# Altium PCB relay_matrix.PcbDoc (part 8 of 9) (continued)
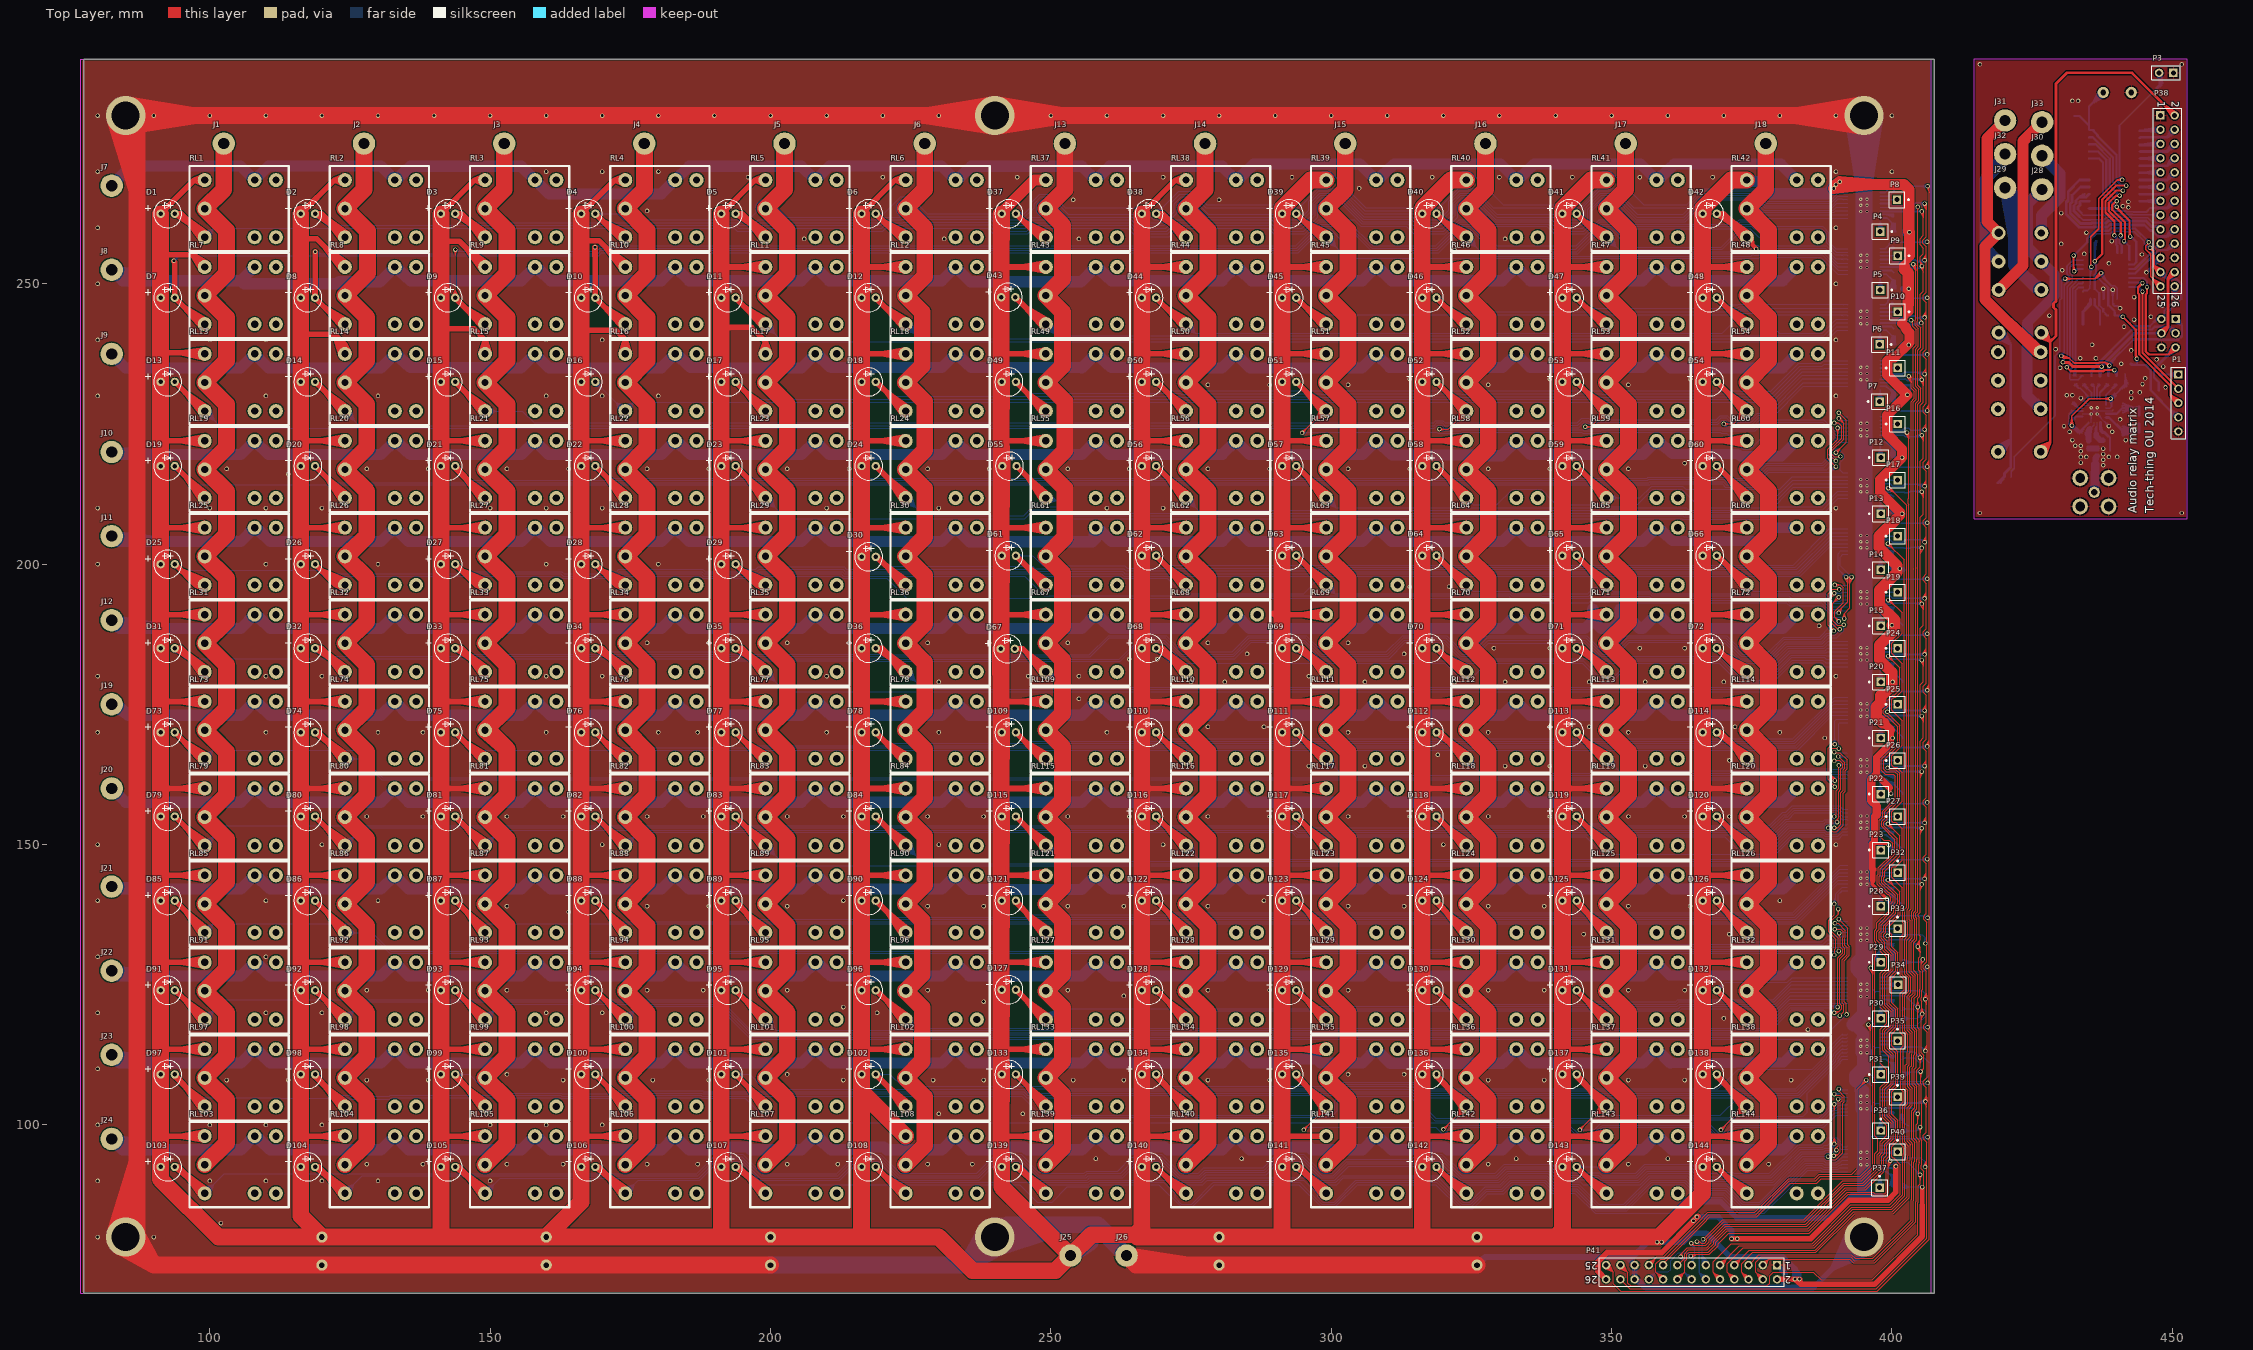
[diagram p0: Top Layer view]
## Nets (pads, with @x,y where several pads share a name; then routed paths per layer and width w, separated by ;. In a path a pad name is that pad's centre, name@x,y a point inside that pad or via, vN(x,y) a via of type N, cw(c..) or ccw(c..) an arc to the next point about the centre after c; other vN are vias at no path point) (continued)
NetC55_2: C55.2 U12.18 | length 9.7
  Bottom Layer w0.3: U12.18@397.9,172.375 399.925,172.375 C55.2@400.3,172 ; U12.18@398.725,172.375 399.8,172.375 ; C55.2@400.123,171.874 399.8,172.375 ; C55.2@400.222,171.813 398.912,172.375 ; C55.2@400.335,172.297 398.912,172.375 ; C55.2@400.389,172.284 399.8,172.375 ; 398.912,172.375 400.3,172.05 399.8,172.375
NetC56_2: C56.2 U14.18 | length 9.7
  Bottom Layer w0.3: U14.18@397.9,162.375 399.925,162.375 C56.2@400.3,162 ; U14.18@398.725,162.375 399.8,162.375 ; C56.2@400.123,161.874 399.8,162.375 ; C56.2@400.222,161.813 398.912,162.375 ; C56.2@400.335,162.297 398.912,162.375 ; C56.2@400.389,162.284 399.8,162.375 ; 398.912,162.375 400.3,162.05 399.8,162.375
NetC57_2: C57.2 U15.18 | length 9.7
  Bottom Layer w0.3: U15.18@397.9,152.375 399.925,152.375 C57.2@400.3,152 ; U15.18@398.725,152.375 399.8,152.375 ; C57.2@400.123,151.874 399.8,152.375 ; C57.2@400.222,151.813 398.912,152.375 ; C57.2@400.335,152.297 398.912,152.375 ; C57.2@400.389,152.284 399.8,152.375 ; 398.912,152.375 400.3,152.05 399.8,152.375
NetC58_2: C58.2 U9.13 | length 3.5
  Bottom Layer w0.3: U9.13@397.9,185.625 399.425,185.625 ; U9.13@398.725,185.625 399.425,185.625 ; C58.2@400.3,186.5 399.425,185.625
NetC59_2: C59.2 U12.13 | length 3.5
  Bottom Layer w0.3: U12.13@397.9,175.625 399.425,175.625 ; U12.13@398.725,175.625 399.425,175.625 ; C59.2@400.3,176.5 399.425,175.625
NetC60_2: C60.2 U14.13 | length 3.5
  Bottom Layer w0.3: U14.13@397.9,165.625 399.425,165.625 ; U14.13@398.725,165.625 399.425,165.625 ; C60.2@400.3,166.5 399.425,165.625
NetC61_2: C61.2 U15.13 | length 3.5
  Bottom Layer w0.3: U15.13@397.9,155.625 399.425,155.625 ; U15.13@398.725,155.625 399.425,155.625 ; C61.2@400.3,156.5 399.425,155.625
NetC62_2: C62.2 R157.1 U16.19 | length 13
  Bottom Layer w0.3: U16.19@397.9,141.725 399.025,141.725 ; C62.2@400.151,140.599 399.55,141.2 ; C62.2@400.384,141.035 399.55,141.2 ; R157.1@401.9,139 401.9,139.15 C62.2@400.3,140.75 399.85,141.2 ; U16.19@398.725,141.725 399.025,141.725 ; U16.19@398.725,141.725 399.025,141.725 ; U16.19@398.725,141.725 399.55,141.2 ; 399.025,141.725 399.55,141.2 ; 399.55,141.2 C62.2@400.3,140.8 ; 399.55,141.2 399.85,141.2 ; 399.85,141.2 C62.2@400.3,140.8 ; 399.85,141.2 400.424,141.017 399.85,141.2 ; 399.85,141.2 400.099,140.652 399.85,141.2 ; 399.85,141.2 C62.2@400.3,140.8
NetC63_2: C63.2 R158.1 U17.19 | length 44.2
  Bottom Layer w0.3: U17.19@397.9,131.725 399.025,131.725 ; R158.1@399.573,129.159 C63.2@400.3,130.614 ; R158.1@399.855,129.05 C63.2@400.3,130.614 ; C63.2@400.05,130.705 R158.1@400.15,129.405 ; C63.2@400.051,130.676 R158.1@400.3,129.4 ; C63.2@400.052,130.669 R158.1@400.337,129.4 ; C63.2@400.053,130.741 R158.1@399.962,129.426 ; C63.2@400.061,130.627 R158.1@400.564,129.416 ; C63.2@400.064,130.784 R158.1@399.73,129.473 ; C63.2@400.151,130.599 399.55,131.2 ; R158.1@400.35,128.988 C63.2@400.3,130.614 ; C63.2@400.384,131.035 399.55,131.2 ; C63.2@400.516,130.574 R158.1@399.73,129.473 ; C63.2@400.534,130.613 R158.1@399.962,129.426 ; C63.2@400.544,130.648 R158.1@400.15,129.405 ; C63.2@400.549,130.676 R158.1@400.3,129.4 ; C63.2@400.549,130.683 R158.1@400.337,129.4 ; C63.2@400.549,130.727 R158.1@400.564,129.416 ; R158.1@400.649,129.026 C63.2@400.3,130.614 ; U17.19@398.725,131.725 399.025,131.725 ; U17.19@398.725,131.725 399.025,131.725 ; U17.19@398.725,131.725 399.55,131.2 ; 399.025,131.725 399.55,131.2 ; 399.55,131.2 C63.2@400.3,130.8 ; 399.55,131.2 399.85,131.2 ; R158.1@399.73,129.473 C63.2@400.3,130.7 ; 399.85,131.2 C63.2@400.3,130.8 ; 399.85,131.2 400.424,131.017 399.85,131.2 ; 399.85,131.2 400.099,130.652 399.85,131.2 ; 399.85,131.2 C63.2@400.3,130.8 ; 399.85,131.2 C63.2@400.3,130.75 400.3,129.2 R158.1@400.1,129 C63.2@400.3,130.614 ; R158.1@399.962,129.426 C63.2@400.3,130.7 ; R158.1@400.15,129.405 C63.2@400.3,130.7 ; R158.1@400.3,129.4 C63.2@400.3,130.7 ; C63.2@400.3,130.7 R158.1@400.337,129.4 ; C63.2@400.3,130.7 R158.1@400.564,129.416
NetC64_2: C64.2 R159.1 U18.19 | length 39.5
  Bottom Layer w0.3: U18.19@397.9,121.725 398.025,121.6 398.942,121.6 ; R159.1@399.573,119.159 C64.2@400.3,120.614 ; R159.1@399.855,119.05 C64.2@400.3,120.614 ; C64.2@400.05,120.705 R159.1@400.15,119.405 ; C64.2@400.051,120.676 R159.1@400.3,119.4 ; C64.2@400.052,120.669 R159.1@400.337,119.4 ; C64.2@400.053,120.741 R159.1@399.962,119.426 ; C64.2@400.061,120.627 R159.1@400.564,119.416 ; C64.2@400.064,120.784 R159.1@399.73,119.473 ; R159.1@400.35,118.988 C64.2@400.3,120.614 ; C64.2@400.516,120.574 R159.1@399.73,119.473 ; C64.2@400.534,120.613 R159.1@399.962,119.426 ; C64.2@400.544,120.648 R159.1@400.15,119.405 ; C64.2@400.549,120.676 R159.1@400.3,119.4 ; C64.2@400.549,120.683 R159.1@400.337,119.4 ; C64.2@400.549,120.727 R159.1@400.564,119.416 ; R159.1@400.649,119.026 C64.2@400.3,120.614 ; 398.942,121.6 398.725,121.725 398.942,121.6 ; 398.942,121.6 399.792,120.75 ; R159.1@399.73,119.473 C64.2@400.3,120.7 ; 399.792,120.75 400.238,120.992 399.792,120.75 ; 399.792,120.75 400.238,120.508 399.792,120.75 ; 399.792,120.75 C64.2@400.3,120.75 ; 399.792,120.75 C64.2@400.3,120.75 ; R159.1@399.962,119.426 C64.2@400.3,120.7 ; R159.1@400.15,119.405 C64.2@400.3,120.7 ; R159.1@400.3,119.4 C64.2@400.3,120.7 ; C64.2@400.3,120.614 R159.1@400.1,119 400.3,119.2 C64.2@400.3,120.75 ; C64.2@400.3,120.7 R159.1@400.337,119.4 ; C64.2@400.3,120.7 R159.1@400.564,119.416
NetC65_2: C65.2 R160.1 U19.19 | length 44.2
  Bottom Layer w0.3: U19.19@397.9,111.725 399.025,111.725 ; R160.1@399.573,109.159 C65.2@400.3,110.614 ; R160.1@399.855,109.05 C65.2@400.3,110.614 ; C65.2@400.05,110.705 R160.1@400.15,109.405 ; C65.2@400.051,110.676 R160.1@400.3,109.4 ; C65.2@400.052,110.669 R160.1@400.337,109.4 ; C65.2@400.053,110.741 R160.1@399.962,109.426 ; C65.2@400.061,110.627 R160.1@400.564,109.416 ; C65.2@400.064,110.784 R160.1@399.73,109.473 ; C65.2@400.151,110.599 399.55,111.2 ; R160.1@400.35,108.988 C65.2@400.3,110.614 ; C65.2@400.384,111.035 399.55,111.2 ; C65.2@400.516,110.574 R160.1@399.73,109.473 ; C65.2@400.534,110.613 R160.1@399.962,109.426 ; C65.2@400.544,110.648 R160.1@400.15,109.405 ; C65.2@400.549,110.676 R160.1@400.3,109.4 ; C65.2@400.549,110.683 R160.1@400.337,109.4 ; C65.2@400.549,110.727 R160.1@400.564,109.416 ; R160.1@400.649,109.026 C65.2@400.3,110.614 ; U19.19@398.725,111.725 399.025,111.725 ; U19.19@398.725,111.725 399.025,111.725 ; U19.19@398.725,111.725 399.55,111.2 ; 399.025,111.725 399.55,111.2 ; 399.55,111.2 C65.2@400.3,110.8 ; 399.55,111.2 399.85,111.2 ; R160.1@399.73,109.473 C65.2@400.3,110.7 ; 399.85,111.2 C65.2@400.3,110.8 ; 399.85,111.2 400.424,111.017 399.85,111.2 ; 399.85,111.2 400.099,110.652 399.85,111.2 ; 399.85,111.2 C65.2@400.3,110.8 ; 399.85,111.2 C65.2@400.3,110.75 400.3,109.2 R160.1@400.1,109 C65.2@400.3,110.614 ; R160.1@399.962,109.426 C65.2@400.3,110.7 ; R160.1@400.15,109.405 C65.2@400.3,110.7 ; R160.1@400.3,109.4 C65.2@400.3,110.7 ; C65.2@400.3,110.7 R160.1@400.337,109.4 ; C65.2@400.3,110.7 R160.1@400.564,109.416
NetC66_2: C66.2 U16.18 | length 9.7
  Bottom Layer w0.3: U16.18@397.9,142.375 399.925,142.375 C66.2@400.3,142 ; U16.18@398.725,142.375 399.8,142.375 ; C66.2@400.123,141.874 399.8,142.375 ; C66.2@400.222,141.813 398.912,142.375 ; C66.2@400.335,142.297 398.912,142.375 ; C66.2@400.389,142.284 399.8,142.375 ; 398.912,142.375 400.3,142.05 399.8,142.375
NetC67_2: C67.2 U17.18 | length 9.7
  Bottom Layer w0.3: U17.18@397.9,132.375 399.925,132.375 C67.2@400.3,132 ; U17.18@398.725,132.375 399.8,132.375 ; C67.2@400.123,131.874 399.8,132.375 ; C67.2@400.222,131.813 398.912,132.375 ; C67.2@400.335,132.297 398.912,132.375 ; C67.2@400.389,132.284 399.8,132.375 ; 398.912,132.375 400.3,132.05 399.8,132.375
NetC68_2: C68.2 U18.18 | length 14.6
  Bottom Layer w0.3: U18.18@397.9,122.375 399.925,122.375 C68.2@400.3,122 ; U18.18@398.725,122.375 399.8,122.375 ; C68.2@400.123,121.874 399.8,122.375 ; C68.2@400.222,121.813 398.912,122.375 ; C68.2@400.231,121.81 U18.18@398.711,122.375 ; C68.2@400.331,122.298 U18.18@398.711,122.375 ; C68.2@400.335,122.297 398.912,122.375 ; C68.2@400.389,122.284 399.8,122.375 ; U18.18@398.711,122.375 C68.2@400.3,122.05 ; 398.912,122.375 C68.2@400.3,122.05 ; 399.8,122.375 C68.2@400.3,122.05
NetC69_2: C69.2 U19.18 | length 9.7
  Bottom Layer w0.3: U19.18@397.9,112.375 399.925,112.375 C69.2@400.3,112 ; U19.18@398.725,112.375 399.8,112.375 ; C69.2@400.123,111.874 399.8,112.375 ; C69.2@400.222,111.813 398.912,112.375 ; C69.2@400.335,112.297 398.912,112.375 ; C69.2@400.389,112.284 399.8,112.375 ; 398.912,112.375 400.3,112.05 399.8,112.375
NetC70_2: C70.2 U16.13 | length 3.5
  Bottom Layer w0.3: U16.13@397.9,145.625 399.425,145.625 ; U16.13@398.725,145.625 399.425,145.625 ; C70.2@400.3,146.5 399.425,145.625
NetC71_2: C71.2 U17.13 | length 3.5
  Bottom Layer w0.3: U17.13@397.9,135.625 399.425,135.625 ; U17.13@398.725,135.625 399.425,135.625 ; C71.2@400.3,136.5 399.425,135.625
NetC72_2: C72.2 U18.13 | length 7.1
  Bottom Layer w0.3: U18.13@397.9,125.625 399.425,125.625 ; U18.13@398.725,125.625 399.425,125.625 ; C72.2@400.111,126.613 399.425,125.625 ; C72.2@400.3,126.45 399.425,125.625 ; C72.2@400.3,126.5 399.425,125.625 ; C72.2@400.452,126.251 399.425,125.625
NetC73_2: C73.2 U19.13 | length 3.5
  Bottom Layer w0.3: U19.13@397.9,115.625 399.425,115.625 ; U19.13@398.725,115.625 399.425,115.625 ; C73.2@400.3,116.5 399.425,115.625
NetC74_2: C74.2 R161.1 U20.19 | length 44.2
  Bottom Layer w0.3: U20.19@397.9,101.725 399.025,101.725 ; R161.1@399.573,99.159 C74.2@400.3,100.614 ; R161.1@399.855,99.05 C74.2@400.3,100.614 ; C74.2@400.05,100.705 R161.1@400.15,99.405 ; C74.2@400.051,100.676 R161.1@400.3,99.4 ; C74.2@400.052,100.669 R161.1@400.337,99.4 ; C74.2@400.053,100.741 R161.1@399.962,99.426 ; C74.2@400.061,100.627 R161.1@400.564,99.416 ; C74.2@400.064,100.784 R161.1@399.73,99.473 ; C74.2@400.151,100.599 399.55,101.2 ; R161.1@400.35,98.988 C74.2@400.3,100.614 ; C74.2@400.384,101.035 399.55,101.2 ; C74.2@400.516,100.574 R161.1@399.73,99.473 ; C74.2@400.534,100.613 R161.1@399.962,99.426 ; C74.2@400.544,100.648 R161.1@400.15,99.405 ; C74.2@400.549,100.676 R161.1@400.3,99.4 ; C74.2@400.549,100.683 R161.1@400.337,99.4 ; C74.2@400.549,100.727 R161.1@400.564,99.416 ; R161.1@400.649,99.026 C74.2@400.3,100.614 ; U20.19@398.725,101.725 399.025,101.725 ; U20.19@398.725,101.725 399.025,101.725 ; U20.19@398.725,101.725 399.55,101.2 ; 399.025,101.725 399.55,101.2 ; 399.55,101.2 C74.2@400.3,100.8 ; 399.55,101.2 399.85,101.2 ; R161.1@399.73,99.473 C74.2@400.3,100.7 ; 399.85,101.2 C74.2@400.3,100.8 ; 399.85,101.2 400.424,101.017 399.85,101.2 ; 399.85,101.2 400.099,100.652 399.85,101.2 ; 399.85,101.2 C74.2@400.3,100.8 ; 399.85,101.2 C74.2@400.3,100.75 400.3,99.2 R161.1@400.1,99 C74.2@400.3,100.614 ; R161.1@399.962,99.426 C74.2@400.3,100.7 ; R161.1@400.15,99.405 C74.2@400.3,100.7 ; R161.1@400.3,99.4 C74.2@400.3,100.7 ; C74.2@400.3,100.7 R161.1@400.337,99.4 ; C74.2@400.3,100.7 R161.1@400.564,99.416
NetC75_2: C75.2 R162.1 U21.19 | length 44.2
  Bottom Layer w0.3: U21.19@397.9,91.725 399.025,91.725 ; R162.1@399.573,89.159 C75.2@400.3,90.614 ; R162.1@399.855,89.05 C75.2@400.3,90.614 ; C75.2@400.05,90.705 R162.1@400.15,89.405 ; C75.2@400.051,90.676 R162.1@400.3,89.4 ; C75.2@400.052,90.669 R162.1@400.337,89.4 ; C75.2@400.053,90.741 R162.1@399.962,89.426 ; C75.2@400.061,90.627 R162.1@400.564,89.416 ; C75.2@400.064,90.784 R162.1@399.73,89.473 ; C75.2@400.151,90.599 399.55,91.2 ; R162.1@400.35,88.988 C75.2@400.3,90.614 ; C75.2@400.384,91.035 399.55,91.2 ; C75.2@400.516,90.574 R162.1@399.73,89.473 ; C75.2@400.534,90.613 R162.1@399.962,89.426 ; C75.2@400.544,90.648 R162.1@400.15,89.405 ; C75.2@400.549,90.676 R162.1@400.3,89.4 ; C75.2@400.549,90.683 R162.1@400.337,89.4 ; C75.2@400.549,90.727 R162.1@400.564,89.416 ; R162.1@400.649,89.026 C75.2@400.3,90.614 ; U21.19@398.725,91.725 399.025,91.725 ; U21.19@398.725,91.725 399.025,91.725 ; U21.19@398.725,91.725 399.55,91.2 ; 399.025,91.725 399.55,91.2 ; 399.55,91.2 C75.2@400.3,90.8 ; 399.55,91.2 399.85,91.2 ; R162.1@399.73,89.473 C75.2@400.3,90.7 ; 399.85,91.2 C75.2@400.3,90.8 ; 399.85,91.2 400.424,91.017 399.85,91.2 ; 399.85,91.2 400.099,90.652 399.85,91.2 ; 399.85,91.2 C75.2@400.3,90.8 ; 399.85,91.2 C75.2@400.3,90.75 400.3,89.2 R162.1@400.1,89 C75.2@400.3,90.614 ; R162.1@399.962,89.426 C75.2@400.3,90.7 ; R162.1@400.15,89.405 C75.2@400.3,90.7 ; R162.1@400.3,89.4 C75.2@400.3,90.7 ; C75.2@400.3,90.7 R162.1@400.337,89.4 ; C75.2@400.3,90.7 R162.1@400.564,89.416
NetC76_2: C76.2 U20.18 | length 9.7
  Bottom Layer w0.3: U20.18@397.9,102.375 399.925,102.375 C76.2@400.3,102 ; U20.18@398.725,102.375 399.8,102.375 ; C76.2@400.123,101.874 399.8,102.375 ; C76.2@400.222,101.813 398.912,102.375 ; C76.2@400.335,102.297 398.912,102.375 ; C76.2@400.389,102.284 399.8,102.375 ; 398.912,102.375 400.3,102.05 399.8,102.375
NetC78_2: C78.2 U20.13 | length 3.5
  Bottom Layer w0.3: U20.13@397.9,105.625 399.425,105.625 ; U20.13@398.725,105.625 399.425,105.625 ; C78.2@400.3,106.5 399.425,105.625
NetC79_2: C79.2 U21.13 | length 3.3
  Bottom Layer w0.3: U21.13@397.9,95.625 399.175,95.625 ; U21.13@398.725,95.625 399.175,95.625 ; C79.2@400.3,96.75 399.175,95.625
NetJ1_1: J1.1 RL1.2 RL7.2 RL13.2 RL19.2 RL25.2 RL31.2 RL73.2 RL79.2 RL85.2 RL91.2 RL97.2 RL103.2 | length 219
  Top Layer w3: RL103.2@99.1,92.9 103,96.8 103,104.5 RL97.2@99.1,108.4 103,112.3 103,120 RL91.2@99.1,123.9 103,127.8 103,135.5 RL85.2@99.1,139.4 103,143.3 103,151 RL79.2@99.1,154.9 103,158.8 103,166.5 RL73.2@99.1,170.4 103,174.3 103,182 RL31.2@99.1,185.9 103,189.8 103,197.5 RL25.2@99.1,201.4 103,205.3 103,213 RL19.2@99.1,216.9 103,220.8 103,228.5 RL13.2@99.1,232.4 103,236.3 103,244 RL7.2@99.1,247.9 103,251.8 103,259.5 RL1.2@99.1,263.4 102.5,266.8 J1.1@102.5,275
NetJ2_1: J2.1 RL2.2 RL8.2 RL14.2 RL20.2 RL26.2 RL32.2 RL74.2 RL80.2 RL86.2 RL92.2 RL98.2 RL104.2 | length 224.6
  Top Layer w3: RL104.2@124.1,92.9 128,96.8 128,104.5 RL98.2@124.1,108.4 128,112.3 128,120 RL92.2@124.1,123.9 128,127.8 128,135.5 RL86.2@124.1,139.4 128,143.3 128,151 RL80.2@124.1,154.9 128,158.8 128,166.5 RL74.2@124.1,170.4 128,174.3 128,182 RL32.2@124.1,185.9 128,189.8 128,197.5 RL26.2@124.1,201.4 ; J2.1@127.5,275 127.5,266.8 RL2.2@124.1,263.4 128,259.5 128.1,259.4 128.1,251.9 RL8.2@124.1,247.9 128,244 128,236.3 RL14.2@124.1,232.4 128,228.5 128,220.8 RL20.2@124.1,216.9 128,213 128,205 ; RL26.2@124.1,201.4 128,205 ; RL26.2@124.1,201.4 124.4,201.4 128,205
NetJ3_1: J3.1 RL3.2 RL9.2 RL15.2 RL21.2 RL27.2 RL33.2 RL75.2 RL81.2 RL87.2 RL93.2 RL99.2 RL105.2 | length 224.5
  Top Layer w3: RL105.2@149.1,92.9 153,96.8 153,104.5 RL99.2@149.1,108.4 153,112.3 153,120 RL93.2@149.1,123.9 153,127.8 153,135.5 RL87.2@149.1,139.4 153,143.3 153,151 RL81.2@149.1,154.9 153,158.8 153,167 ; J3.1@152.5,275 152.5,266.8 RL3.2@149.1,263.4 153,259.5 153,251.8 RL9.2@149.1,247.9 153,244 153,236.3 RL15.2@149.1,232.4 153,228.5 153,220.8 RL21.2@149.1,216.9 153,213 153,205.3 RL27.2@149.1,201.4 153,197.5 153,189.8 RL33.2@149.1,185.9 153,182 153,174.3 RL75.2@149.1,170.4 ; RL75.2@149.1,170.4 153,167 ; RL75.2@149.1,170.4 149.6,170.4 153,167
NetJ4_1: J4.1 RL4.2 RL10.2 RL16.2 RL22.2 RL28.2 RL34.2 RL76.2 RL82.2 RL88.2 RL94.2 RL100.2 RL106.2 | length 296.2
  Top Layer w3: J4.1@177.5,275 177.5,266.8 RL4.2@174.1,263.4 178,259.5 178,251.8 RL10.2@174.1,247.9 178,244 178,236.3 RL16.2@174.1,232.4 178,228.5 178,220.8 RL22.2@174.1,216.9 178,213 178,205.3 RL28.2@174.1,201.4 178,197.5 ; RL94.2@174.1,123.9 178,127.8 ; RL94.2@174.1,123.9 178,120 ; RL94.2@174.1,123.9 178,127.8 ; RL88.2@174.1,139.4 178,143.3 ; RL88.2@174.1,139.4 178,135.5 ; RL88.2@174.1,139.4 178,143.3 ; RL82.2@174.1,154.9 178,158.8 ; RL82.2@174.1,154.9 178,151 ; RL82.2@174.1,154.9 178,151 ; RL82.2@174.1,154.9 178,158.8 ; RL76.2@174.1,170.4 178,174.3 ; RL76.2@174.1,170.4 178,166.5 ; RL76.2@174.1,170.4 178,166.5 ; RL76.2@174.1,170.4 178,174.3 ; 178,96.8 178,104.5 RL100.2@174.1,108.4 178,112.3 ; 178,96.8 RL106.2@174.1,92.9 178,96.8 ; 178,112.3 178,120 ; 178,112.3 178,120 ; 178,127.8 178,135.5 ; 178,127.8 178,135.5 ; 178,143.3 178,151 ; 178,143.3 178,151 ; 178,158.8 178,166.5 ; 178,174.3 178,182 ; 178,174.3 178,182 ; 178,182 RL34.2@174.1,185.9 178,189.8 ; 178,189.8 178,197.5 ; 178,189.8 178,197.5
NetJ5_1: J5.1 RL5.2 RL11.2 RL17.2 RL23.2 RL29.2 RL35.2 RL77.2 RL83.2 RL89.2 RL95.2 RL101.2 RL107.2 | length 219
  Top Layer w3: RL107.2@199.1,92.9 203,96.8 203,104.5 RL101.2@199.1,108.4 203,112.3 203,120 RL95.2@199.1,123.9 203,127.8 203,135.5 RL89.2@199.1,139.4 203,143.3 203,151 RL83.2@199.1,154.9 203,158.8 203,166.5 RL77.2@199.1,170.4 203,174.3 203,182 RL35.2@199.1,185.9 203,189.8 203,197.5 RL29.2@199.1,201.4 203,205.3 203,213 RL23.2@199.1,216.9 203,220.8 203,228.5 RL17.2@199.1,232.4 203,236.3 203,244 RL11.2@199.1,247.9 203,251.8 203,259.5 RL5.2@199.1,263.4 202.5,266.8 J5.1@202.5,275
NetJ6_1: J6.1 RL6.2 RL12.2 RL18.2 RL24.2 RL30.2 RL36.2 RL78.2 RL84.2 RL90.2 RL96.2 RL102.2 RL108.2 | length 213.4
  Top Layer w3: RL108.2@224.1,92.9 227.5,96.3 227.5,105 RL102.2@224.1,108.4 227.05,111.35 227.05,120.95 RL96.2@224.1,123.9 227.05,126.85 227.05,136.45 RL90.2@224.1,139.4 227.5,142.8 227.5,151.5 RL84.2@224.1,154.9 227.5,158.3 227.5,167 RL78.2@224.1,170.4 227.5,173.8 227.5,182.5 RL36.2@224.1,185.9 227.5,189.3 227.5,198 RL30.2@224.1,201.4 227.5,204.8 227.5,213.5 RL24.2@224.1,216.9 227.5,220.3 227.5,229 RL18.2@224.1,232.4 227.05,235.35 227.05,244.95 RL12.2@224.1,247.9 227.5,251.3 227.5,260 RL6.2@224.1,263.4 227.5,266.8 J6.1@227.5,275
NetJ13_1: J13.1 RL37.2 RL43.2 RL49.2 RL55.2 RL61.2 RL67.2 RL109.2 RL115.2 RL121.2 RL127.2 RL133.2 RL139.2 | length 219.3
  Top Layer w3: RL139.2@249.1,92.9 252.05,95.85 252.05,105.45 RL133.2@249.1,108.4 252.05,111.35 252.05,120.95 RL127.2@249.1,123.9 252.05,126.85 252.05,136.45 RL121.2@249.1,139.4 252.05,142.35 252.05,151.95 RL115.2@249.1,154.9 252.05,157.85 252.05,167.45 RL109.2@249.1,170.4 252.05,173.35 252.05,182.95 RL67.2@249.1,185.9 252.05,188.85 252.05,198.45 RL61.2@249.1,201.4 252.5,204.8 252.5,213.5 RL55.2@249.1,216.9 252.5,220.3 252.5,229 RL49.2@249.1,232.4 252.05,235.35 252.05,244.95 RL43.2@249.1,247.9 252.05,250.85 252.05,260.45 RL37.2@249.1,263.4 252.5,266.8 ; 252.5,266.8 J13.1@252.5,275 252.5,266.8
NetJ14_1: J14.1 RL38.2 RL44.2 RL50.2 RL56.2 RL62.2 RL68.2 RL110.2 RL116.2 RL122.2 RL128.2 RL134.2 RL140.2 | length 224.6
  Top Layer w3: RL140.2@274.1,92.9 278,96.8 278,104.5 RL134.2@274.1,108.4 278,112.3 278,120 RL128.2@274.1,123.9 ; J14.1@277.5,275 277.5,266.8 RL38.2@274.1,263.4 278,259.5 278,251.8 RL44.2@274.1,247.9 278,244 278,236.3 RL50.2@274.1,232.4 278,228.5 278,220.8 RL56.2@274.1,216.9 278,213 278,205.3 RL62.2@274.1,201.4 278,197.5 278,189.8 RL68.2@274.1,185.9 278,182 278,174.3 RL110.2@274.1,170.4 278,166.5 278,158.8 RL116.2@274.1,154.9 278,151 278,143.3 RL122.2@274.1,139.4 278,135.5 278,127.8 ; RL128.2@274.1,123.9 278,127.8 ; RL128.2@274.1,123.9 278,127.8
NetJ15_1: J15.1 RL39.2 RL45.2 RL51.2 RL57.2 RL63.2 RL69.2 RL111.2 RL117.2 RL123.2 RL129.2 RL135.2 RL141.2 | length 246.6
  Top Layer w3: J15.1@302.5,275 302.5,266.8 RL39.2@299.1,263.4 303,259.5 303,251.8 RL45.2@299.1,247.9 303,244 303,236.3 RL51.2@299.1,232.4 303,228.5 303,220.8 RL57.2@299.1,216.9 303,213 303,205.3 RL63.2@299.1,201.4 303,197.5 303,189.8 RL69.2@299.1,185.9 303,182 303,174.3 RL111.2@299.1,170.4 303,166.5 303,158.8 RL117.2@299.1,154.9 303,151 303,143.3 RL123.2@299.1,139.4 303,135.5 303,127.8 ; RL135.2@299.1,108.4 303,104.5 ; RL135.2@299.1,108.4 303,112.3 ; RL135.2@299.1,108.4 303,112.3 ; RL135.2@299.1,108.4 303,104.5 ; RL129.2@299.1,123.9 303,127.8 ; RL129.2@299.1,123.9 303,120 ; RL129.2@299.1,123.9 303,127.8 ; RL129.2@299.1,123.9 303,120 ; 303,96.8 RL141.2@299.1,92.9 303,96.8 ; 303,96.8 303,104.5 ; 303,112.3 303,120
NetJ16_1: J16.1 RL40.2 RL46.2 RL52.2 RL58.2 RL64.2 RL70.2 RL112.2 RL118.2 RL124.2 RL130.2 RL136.2 RL142.2 | length 224.6
  Top Layer w3: RL142.2@324.1,92.9 328,96.8 328,104.5 RL136.2@324.1,108.4 328,112.3 328,120 RL130.2@324.1,123.9 ; J16.1@327.5,275 327.5,266.8 RL40.2@324.1,263.4 328,259.5 328,251.8 RL46.2@324.1,247.9 328,244 328,236.3 RL52.2@324.1,232.4 328,228.5 328,220.8 RL58.2@324.1,216.9 328,213 328,205.3 RL64.2@324.1,201.4 328,197.5 328,189.8 RL70.2@324.1,185.9 328,182 328,174.3 RL112.2@324.1,170.4 328,166.5 328,158.8 RL118.2@324.1,154.9 328,151 328,143.3 RL124.2@324.1,139.4 328,135.5 328,127.8 ; RL130.2@324.1,123.9 328,127.8 ; RL130.2@324.1,123.9 328,127.8
NetJ17_1: J17.1 RL41.2 RL47.2 RL53.2 RL59.2 RL65.2 RL71.2 RL113.2 RL119.2 RL125.2 RL131.2 RL137.2 RL143.2 | length 246.6
  Top Layer w3: J17.1@352.5,275 352.5,266.8 RL41.2@349.1,263.4 353,259.5 353,251.8 RL47.2@349.1,247.9 353,244 353,236.3 RL53.2@349.1,232.4 353,228.5 353,220.8 RL59.2@349.1,216.9 353,213 353,205.3 RL65.2@349.1,201.4 353,197.5 353,189.8 RL71.2@349.1,185.9 353,182 353,174.3 RL113.2@349.1,170.4 353,166.5 353,158.8 RL119.2@349.1,154.9 353,151 353,143.3 RL125.2@349.1,139.4 353,135.5 353,127.8 ; RL137.2@349.1,108.4 353,104.5 ; RL137.2@349.1,108.4 353,112.3 ; RL137.2@349.1,108.4 353,112.3 ; RL137.2@349.1,108.4 353,104.5 ; RL131.2@349.1,123.9 353,127.8 ; RL131.2@349.1,123.9 353,120 ; RL131.2@349.1,123.9 353,127.8 ; RL131.2@349.1,123.9 353,120 ; 353,96.8 RL143.2@349.1,92.9 353,96.8 ; 353,96.8 353,104.5 ; 353,112.3 353,120
NetJ18_1: J18.1 RL42.2 RL48.2 RL54.2 RL60.2 RL66.2 RL72.2 RL114.2 RL120.2 RL126.2 RL132.2 RL138.2 RL144.2 | length 235.6
  Top Layer w3: RL144.2@374.1,92.9 378,96.8 378,104.5 RL138.2@374.1,108.4 ; J18.1@377.5,275 377.5,266.8 RL42.2@374.1,263.4 378,259.5 378,251.8 RL48.2@374.1,247.9 378,244 378,236.3 RL54.2@374.1,232.4 378,228.5 378,220.8 RL60.2@374.1,216.9 378,213 378,205.3 RL66.2@374.1,201.4 378,197.5 378,189.8 RL72.2@374.1,185.9 378,182 378,174.3 RL114.2@374.1,170.4 378,166.5 378,158.8 RL120.2@374.1,154.9 378,151 378,143.3 RL126.2@374.1,139.4 378,135.5 378,127.8 ; RL138.2@374.1,108.4 378,112.3 ; RL138.2@374.1,108.4 378,112.3 ; RL132.2@374.1,123.9 378,127.8 ; RL132.2@374.1,123.9 378,120 ; RL132.2@374.1,123.9 378,127.8 ; RL132.2@374.1,123.9 378,120 ; 378,112.3 378,120
NetJ29_1: J29.1 RL145.3 | length 36.1
  Bottom Layer w2: J29.1@420.175,267.124 421.675,258.411 ; J29.1@420.775,266.824 421.675,265.924 421.675,253.256 ; 421.675,253.256 RL145.3@426.638,248.913 426.388,249.163 425.768,249.163 421.675,253.256
NetJ30_1: J30.1 RL145.7 | length 21
  Bottom Layer w2: RL145.7@426.638,259.073 426.638,262.161 429.975,265.498 429.975,269.624 ; 429.975,269.624 J30.1@426.775,272.824 429.975,269.624
NetJ32_1: J32.1 RL145.6 | length 27.4
  Bottom Layer w2: RL145.6@419.018,253.993 416.568,256.443 416.568,268.617 ; J32.1@420.175,273.124 416.568,268.617 ; J32.1@420.775,272.824 416.568,268.617
NetJ33_1: J33.1 RL145.4 | length 37.9
  Top Layer w2: RL145.4@419.018,248.913 423.375,253.27 423.375,275.424 ; 423.375,275.424 J33.1@426.775,278.824 423.375,275.424
NetL1_2: L1.2 L2.2 U11.13 | length 8.3
  Bottom Layer w0.2: 435.526,224.275 436.075,224.824 ; 435.641,224.39 U11.13@436.075,224.974 ; U11.13@436.075,225.249 436.075,224.824 ; 436.075,224.824 U11.13@436.075,224.974 ; 436.075,224.824 U11.13@436.075,224.974
  Bottom Layer w1: L2.2@434.875,223.274 L1.2@435.075,222.024 435.075,223.124 L2.2@434.875,223.324 435.175,223.624 435.175,224.064 ; L2.2@434.875,223.374 435.175,224.064 ; L2.2@434.875,223.374 435.286,224.174 435.175,224.064 ; L2.2@434.875,223.374 435.175,224.064
NetL2_1: L2.1 L3.2 U11.12 | length 6.4
  Bottom Layer w0.2: U11.12@436.575,224.974 436.575,224.379 U11.12@436.575,225.249
  Bottom Layer w0.5: L2.1@436.275,223.324 436.425,223.474 436.425,224.379 L2.1@436.275,223.374
  Bottom Layer w1: L2.1@436.425,223.217 436.425,222.774 437.075,222.124 ; L3.2@437.575,222.124 437.075,222.124 ; 437.075,222.124 437.525,222.124 437.075,222.124
NetP4_1: P4.1 U1.20 | length 15.5
  Bottom Layer w0.3: P4.1@397.31,259.409 U1.20@397.9,260.95 ; P4.1@397.55,260.035 U1.20@397.9,261.075 ; P4.1@397.601,259.327 U1.20@397.9,260.95 ; P4.1@397.726,260.008 U1.20@397.9,261.075 ; P4.1@397.9,260 U1.20@397.9,261.075 ; P4.1@398.074,260.008 U1.20@397.9,261.075 ; P4.1@398.199,259.327 U1.20@397.9,260.95 ; P4.1@398.25,260.035 U1.20@397.9,261.075 ; P4.1@398.49,259.409 U1.20@397.9,260.95 ; U1.20@397.9,260.95 P4.1@397.9,259.3 U1.20@397.9,261.075
NetP5_1: P5.1 U2.20 | length 10.4
  Bottom Layer w0.3: P5.1@397.31,249.009 397.9,250.55 ; P5.1@397.601,248.927 397.9,250.55 ; U2.20@397.9,251.075 P5.1@397.9,248.9 397.9,250.55 ; P5.1@398.199,248.927 397.9,250.55 ; P5.1@398.49,249.009 397.9,250.55
NetP6_1: P6.1 U3.20 | length 16.8
  Bottom Layer w0.3: P6.1@397.218,239.344 397.9,240.853 ; P6.1@397.503,239.245 397.9,240.853 ; 397.524,240.021 U3.20@397.9,241.075 ; 397.69,240.001 U3.20@397.9,241.075 ; 397.848,240 U3.20@397.9,241.075 ; 398.004,239.999 U3.20@397.9,241.075 ; P6.1@398.1,239.209 397.9,240.853 ; 398.166,240.005 U3.20@397.9,241.075 ; P6.1@398.396,239.273 397.9,240.853 ; 397.9,240.853 U3.20@397.9,241.075 ; 397.9,240.853 U3.20@397.9,241.075 ; 397.9,240.853 U3.20@397.9,241.075 ; 397.9,240.853 U3.20@397.9,241.075 ; 397.9,240.853 U3.20@397.9,241.075 ; 397.9,240.853 P6.1@397.8,239.2 397.9,239.3 U3.20@397.9,241.075
NetP7_1: P7.1 U4.20 | length 10.4
  Bottom Layer w0.3: P7.1@397.218,229.144 397.9,230.653 ; P7.1@397.503,229.045 397.9,230.653 ; U4.20@397.9,231.075 397.9,229.1 P7.1@397.8,229 397.9,230.653 ; P7.1@398.1,229.009 397.9,230.653 ; P7.1@398.396,229.073 397.9,230.653
NetP8_1: P8.1 U1.14 | length 4.1
  Bottom Layer w0.3: U1.14@397.9,264.975 400.875,264.975 P8.1@400.9,265 ; U1.14@398.725,264.975 399.8,264.975
NetP9_1: P9.1 U2.14 | length 4.2
  Bottom Layer w0.3: U2.14@397.9,254.975 400.975,254.975 P9.1@401,255 ; U2.14@398.725,254.975 399.8,254.975
NetP10_1: P10.1 U3.14 | length 4.2
  Bottom Layer w0.3: U3.14@397.9,244.975 400.975,244.975 P10.1@401,245 ; U3.14@398.725,244.975 399.8,244.975
NetP11_1: P11.1 U4.14 | length 4.2
  Bottom Layer w0.3: U4.14@397.9,234.975 400.975,234.975 P11.1@401,235 ; U4.14@398.725,234.975 399.8,234.975